# Altium PCB Evaluation Board.PcbDoc (part 14 of 22)
Units mm, origin at the board's own origin, x right, y up, seen from the top; angles counter-clockwise.
Board outline 200 x 200 mm, 4 copper layers (Top Layer, GND, Power, Bottom Layer), stack 1.56 mm thick; 639 components, 758 nets, 3043 pads, 1306 vias.
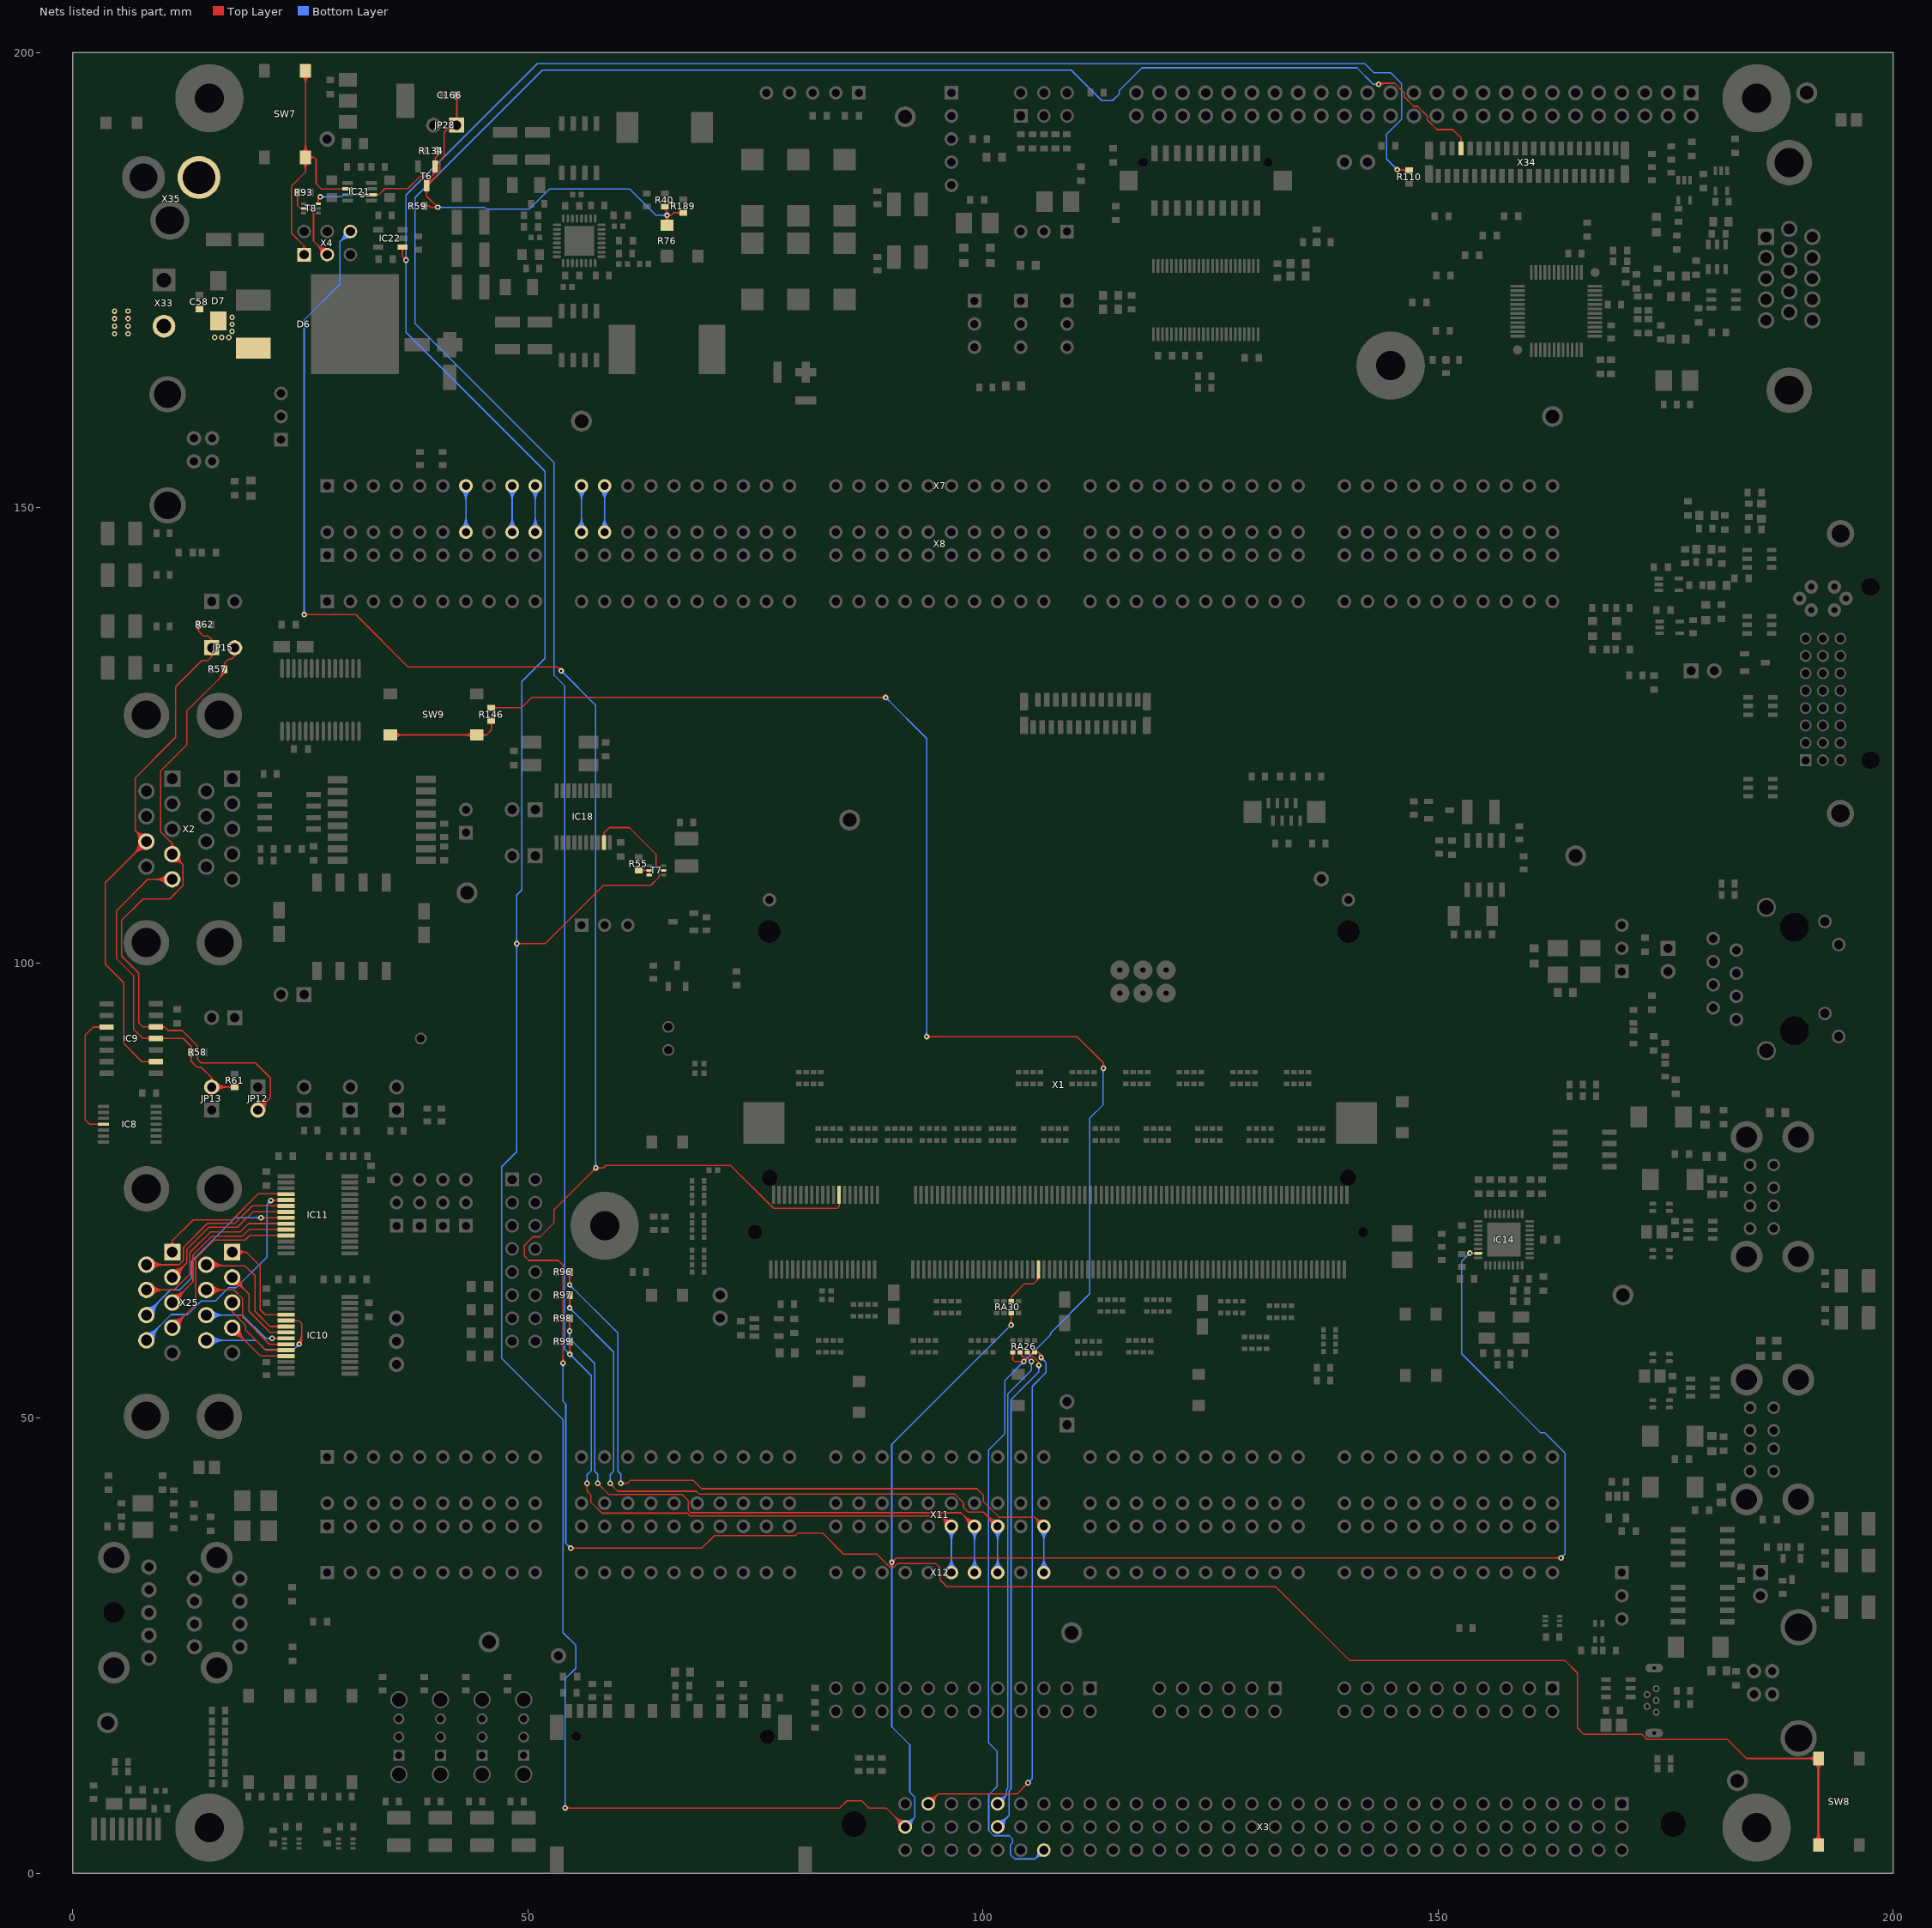
[diagram p16: the nets of this part, all layers, seen from the top]

## Via types
v1: diameter 0.6, hole 0.3, Top Layer to Bottom Layer, 1222 vias
v2: diameter 0.6, hole 0.3, Top Layer to Bottom Layer, tented both sides, 84 vias

## Nets (pads, with @x,y where several pads share a name; then routed paths per layer and width w, separated by ;. In a path a pad name is that pad's centre, name@x,y a point inside that pad or via, vN(x,y) a via of type N, cw(c..) or ccw(c..) an arc to the next point about the centre after c; other vN are vias at no path point) (continued)
NetX7_7: X7.7 X8.B7 | length 17
  Bottom Layer w0.15: X8.B7@42.703,147.797 ccw(c41.55,148.95) 43.18,148.95 ccw(c44.81,148.95) X8.B7@43.657,147.797 ; X7.7@42.703,151.923 cw(c41.55,150.77) 43.18,150.77 cw(c44.81,150.77) X7.7@43.657,151.923 ; X8.B7@42.809,147.691 ccw(c41.913,148.587) 43.18,148.587 ccw(c44.447,148.587) X8.B7@43.551,147.691 ; X7.7@42.809,152.029 cw(c41.913,151.133) 43.18,151.133 cw(c44.447,151.133) X7.7@43.551,152.029 ; X8.B7@42.915,147.585 ccw(c42.275,148.225) 43.18,148.225 ccw(c44.085,148.225) X8.B7@43.445,147.585 ; X7.7@42.915,152.135 cw(c42.275,151.495) 43.18,151.495 cw(c44.085,151.495) X7.7@43.445,152.135 ; X8.B7@43.18,147.32 X7.7@43.18,152.4
NetX7_9: X7.9 X8.B9 | length 17
  Bottom Layer w0.15: X8.B9@47.783,147.797 ccw(c46.63,148.95) 48.26,148.95 ccw(c49.89,148.95) X8.B9@48.737,147.797 ; X7.9@47.783,151.923 cw(c46.63,150.77) 48.26,150.77 cw(c49.89,150.77) X7.9@48.737,151.923 ; X8.B9@47.889,147.691 ccw(c46.993,148.587) 48.26,148.587 ccw(c49.527,148.587) X8.B9@48.631,147.691 ; X7.9@47.889,152.029 cw(c46.993,151.133) 48.26,151.133 cw(c49.527,151.133) X7.9@48.631,152.029 ; X8.B9@47.995,147.585 ccw(c47.355,148.225) 48.26,148.225 ccw(c49.165,148.225) X8.B9@48.525,147.585 ; X7.9@47.995,152.135 cw(c47.355,151.495) 48.26,151.495 cw(c49.165,151.495) X7.9@48.525,152.135 ; X8.B9@48.26,147.32 X7.9@48.26,152.4
NetX7_10: X7.10 X8.B10 | length 17
  Bottom Layer w0.15: X8.B10@50.323,147.797 ccw(c49.17,148.95) 50.8,148.95 ccw(c52.43,148.95) X8.B10@51.277,147.797 ; X7.10@50.323,151.923 cw(c49.17,150.77) 50.8,150.77 cw(c52.43,150.77) X7.10@51.277,151.923 ; X8.B10@50.429,147.691 ccw(c49.533,148.587) 50.8,148.587 ccw(c52.067,148.587) X8.B10@51.171,147.691 ; X7.10@50.429,152.029 cw(c49.533,151.133) 50.8,151.133 cw(c52.067,151.133) X7.10@51.171,152.029 ; X8.B10@50.535,147.585 ccw(c49.895,148.225) 50.8,148.225 ccw(c51.705,148.225) X8.B10@51.065,147.585 ; X7.10@50.535,152.135 cw(c49.895,151.495) 50.8,151.495 cw(c51.705,151.495) X7.10@51.065,152.135 ; X8.B10@50.8,147.32 X7.10@50.8,152.4
NetX7_11: X7.11 X8.B11 | length 17
  Bottom Layer w0.15: X8.B11@55.403,147.797 ccw(c54.25,148.95) 55.88,148.95 ccw(c57.51,148.95) X8.B11@56.357,147.797 ; X7.11@55.403,151.923 cw(c54.25,150.77) 55.88,150.77 cw(c57.51,150.77) X7.11@56.357,151.923 ; X8.B11@55.509,147.691 ccw(c54.613,148.587) 55.88,148.587 ccw(c57.147,148.587) X8.B11@56.251,147.691 ; X7.11@55.509,152.029 cw(c54.613,151.133) 55.88,151.133 cw(c57.147,151.133) X7.11@56.251,152.029 ; X8.B11@55.615,147.585 ccw(c54.975,148.225) 55.88,148.225 ccw(c56.785,148.225) X8.B11@56.145,147.585 ; X7.11@55.615,152.135 cw(c54.975,151.495) 55.88,151.495 cw(c56.785,151.495) X7.11@56.145,152.135 ; X8.B11@55.88,147.32 X7.11@55.88,152.4
NetX7_12: X7.12 X8.B12 | length 17
  Bottom Layer w0.15: X8.B12@57.943,147.797 ccw(c56.79,148.95) 58.42,148.95 ccw(c60.05,148.95) X8.B12@58.897,147.797 ; X7.12@57.943,151.923 cw(c56.79,150.77) 58.42,150.77 cw(c60.05,150.77) X7.12@58.897,151.923 ; X8.B12@58.049,147.691 ccw(c57.153,148.587) 58.42,148.587 ccw(c59.687,148.587) X8.B12@58.791,147.691 ; X7.12@58.049,152.029 cw(c57.153,151.133) 58.42,151.133 cw(c59.687,151.133) X7.12@58.791,152.029 ; X8.B12@58.155,147.585 ccw(c57.515,148.225) 58.42,148.225 ccw(c59.325,148.225) X8.B12@58.685,147.585 ; X7.12@58.155,152.135 cw(c57.515,151.495) 58.42,151.495 cw(c59.325,151.495) X7.12@58.685,152.135 ; X8.B12@58.42,147.32 X7.12@58.42,152.4
OE#: R146.2 RA26.8 X3.C26 | length 218
  Top Layer w0.15: R146.2@45.974,128.03 49.29,128.03 50.41,129.15 v1(89.3,129.15) ; R146.2@46.251,127.853 cw(c46.678,127.426) 46.678,128.03 cw(c46.678,128.633) R146.2@46.251,128.207 ; v1@89.141,128.991 ccw(c88.757,128.607) 88.757,129.15 ccw(c88.757,129.693) v1@89.141,129.309 ; v1(93.8,91.9) 110.328,91.9 113.225,89.003 v1(113.225,88.425) ; v1@93.959,91.741 cw(c94.343,91.357) 94.343,91.9 cw(c94.343,92.443) v1@93.959,92.059 ; RA26.8@103.14,57.098 cw(c102.842,56.799) 103.264,56.799 cw(c103.686,56.799) RA26.8@103.388,57.098 ; RA26.8@103.264,57.222 103.264,56.411 103.45,56.225 104.475,56.225 104.48,56.22 v1(104.48,56.203) ; v1@113.066,88.584 ccw(c112.682,88.968) 113.225,88.968 ccw(c113.768,88.968) v1@113.384,88.584
  Bottom Layer w0.15: v1@89.3,128.925 cw(c89.3,128.382) 89.684,128.766 cw(c90.068,129.15) v1@89.525,129.15 ; v1(89.3,129.15) 93.8,124.65 v1(93.8,91.9) ; v1@93.641,92.059 ccw(c93.257,92.443) 93.8,92.443 ccw(c94.343,92.443) v1@93.959,92.059 ; 104.067,55.807 cw(c104.48,55.393) v1@104.48,55.978 ; 104.108,55.848 ccw(c103.753,56.203) v1@104.255,56.203 ; v1@104.48,56.428 ccw(c104.48,56.971) 104.864,56.587 ccw(c105.248,56.203) v1@104.705,56.203 ; X3.C26@106.01,2.456 cw(c104.948,2.322) 105.705,1.565 ; X3.C26@106.159,2.474 cw(c105.333,2.371) 105.922,1.782 cw(c106.511,1.193) X3.C26@106.614,2.019 ; X3.C26@106.308,2.493 cw(c105.718,2.419) 106.138,1.998 cw(c106.559,1.578) X3.C26@106.633,2.168 ; X3.C26@106.596,1.87 ccw(c106.462,0.808) 105.705,1.565 ; X3.C26@106.68,2.54 105.705,1.565 ; v1@113.066,88.266 cw(c112.742,87.942) 113.2,87.942 ; 113.2,87.821 cw(c113.829,87.821) v1@113.384,88.266 ; v1(113.225,88.425) 113.2,88.4 113.2,84.425 111.725,82.95 111.725,63.65 107.427,59.352 107.427,59.15 v1(104.48,56.203) 104.463,56.203 102.384,54.124 102.384,48.259 100.609,46.484 100.609,14.326 101.549,13.386 101.549,9.519 100.625,8.595 100.625,4.676 101.196,4.105 102.888,4.105 103.222,3.771 103.222,3.336 103.005,3.118 103.005,2.037 103.477,1.565 105.705,1.565
PWE#: RA26.5 X3.A31 | length 70.2
  Top Layer w0.15: X3.A31@93.98,7.62 95.047,8.687 ; X3.A31@94.001,7.994 ccw(c94.043,8.742) 94.573,8.213 ccw(c95.102,7.683) X3.A31@94.354,7.641 ; X3.A31@94.009,8.144 ccw(c94.068,9.191) 94.81,8.45 ccw(c95.551,7.708) X3.A31@94.504,7.649 ; X3.A31@94.018,8.294 ccw(c94.093,9.64) 95.047,8.687 ; X3.A31@94.654,7.658 cw(c96,7.733) 95.047,8.687 ; v2@104.71,9.921 cw(c104.167,9.921) 104.551,9.537 cw(c104.935,9.153) v2@104.935,9.696 ; v2(104.935,9.921) 103.701,8.687 95.047,8.687 ; RA26.5@105.664,57.222 106.103,57.222 ; RA26.5@105.845,57.105 cw(c106.103,56.876) 106.103,57.222 ; RA26.5@105.845,57.338 ccw(c106.103,57.567) 106.103,57.222 ; v1@106.175,56.754 ccw(c105.821,56.939) 106.103,57.222 ; 106.248,57.077 cw(c106.011,56.84) v1@106.308,56.685 ; v1(106.375,56.65) 106.375,56.95 106.103,57.222
  Bottom Layer w0.15: v2(104.935,9.921) 105.405,10.391 105.405,53.487 106.9,54.982 106.9,56.125 v1(106.375,56.65) ; v2@104.935,10.146 ccw(c104.935,10.689) 105.319,10.305 ccw(c105.703,9.921) v2@105.16,9.921 ; v1@106.375,56.425 cw(c106.375,55.882) 106.759,56.266 cw(c107.143,56.65) v1@106.6,56.65
PWM_A: R99.1 X11.A26 X12.26 X34.6 | length 353.7
  Top Layer w0.15: R99.1@54.396,58.143 cw(c53.941,57.688) 54.585,57.688 ; v1@54.426,57.157 ccw(c54.041,57.541) 54.585,57.541 ccw(c55.128,57.541) v1@54.744,57.157 ; R99.1@54.573,58.42 54.585,58.408 v1(54.585,56.998) ; 54.585,57.744 cw(c55.149,57.744) R99.1@54.75,58.143 ; v1@56.331,42.665 cw(c55.946,42.281) 56.49,42.281 cw(c57.033,42.281) v1@56.649,42.665 ; v1(56.49,42.824) 56.49,41.986 56.896,41.58 56.896,40.785 58.133,39.548 67.503,39.548 67.803,39.248 95.372,39.248 ; X11.A26@95.845,38.102 ccw(c94.231,38.106) 95.372,39.248 ; X11.A26@95.995,38.101 ccw(c94.74,38.105) 95.627,38.993 ccw(c96.515,39.88) X11.A26@96.519,38.625 ; X11.A26@96.145,38.101 ccw(c95.248,38.104) 95.882,38.738 ccw(c96.516,39.372) X11.A26@96.519,38.475 ; X11.A26@96.518,38.775 cw(c96.514,40.389) 95.372,39.248 ; X11.A26@96.52,38.1 95.372,39.248 ; v2(143.459,196.52) 143.569,196.63 145.215,196.63 146.27,195.575 146.27,195.145 147.325,194.09 147.755,194.09 148.81,193.035 148.81,192.605 149.874,191.541 151.604,191.541 152.516,190.63 X34.6@152.516,189.471 ; v2@143.512,196.467 cw(c143.906,196.073) 143.906,196.63 ; v2@143.618,196.361 cw(c144.268,195.711) 144.268,196.63 ; X34.6@152.357,190.069 ccw(c151.973,190.453) 152.516,190.453 ccw(c153.059,190.453) X34.6@152.675,190.069
  Bottom Layer w0.15: v1@54.36,56.998 ccw(c53.816,56.998) 54.2,57.382 ccw(c54.585,57.766) v1@54.585,57.223 ; v1@54.585,56.773 cw(c54.585,56.168) 55.012,56.596 ; v1(54.585,56.998) 54.048,57.534 54.048,130.424 52.875,131.597 52.875,154.95 37.575,170.25 37.575,184.075 51.575,198.075 109.7,198.075 113.05,194.725 114.225,194.725 114.96,195.46 114.96,195.822 117.464,198.325 141.056,198.325 142.861,196.52 v2(143.459,196.52) ; v1@54.597,57.01 56.947,54.661 56.947,44.221 56.49,43.764 v1(56.49,42.824) ; v1@54.81,56.998 ccw(c55.291,56.998) 54.951,56.657 ; v1@56.331,42.983 ccw(c55.946,43.368) 56.49,43.368 ccw(c57.033,43.368) v1@56.649,42.983 ; X12.26@96.043,33.497 ccw(c94.89,34.65) 96.52,34.65 ccw(c98.15,34.65) X12.26@96.997,33.497 ; X11.A26@96.043,37.623 cw(c94.89,36.47) 96.52,36.47 cw(c98.15,36.47) X11.A26@96.997,37.623 ; X12.26@96.149,33.391 ccw(c95.253,34.287) 96.52,34.287 ccw(c97.787,34.287) X12.26@96.891,33.391 ; X11.A26@96.149,37.729 cw(c95.253,36.833) 96.52,36.833 cw(c97.787,36.833) X11.A26@96.891,37.729 ; X12.26@96.255,33.285 ccw(c95.615,33.925) 96.52,33.925 ccw(c97.425,33.925) X12.26@96.785,33.285 ; X11.A26@96.255,37.835 cw(c95.615,37.195) 96.52,37.195 cw(c97.425,37.195) X11.A26@96.785,37.835 ; X12.26@96.52,33.02 X11.A26@96.52,38.1 ; v2@143.3,196.361 ccw(c142.916,195.977) 142.916,196.52 ccw(c142.916,197.063) v2@143.3,196.679
PWM_B: R98.1 X11.A27 X12.27 | length 90.7
  Top Layer w0.15: R98.1@54.396,60.683 cw(c53.969,60.256) 54.573,60.256 cw(c55.177,60.256) R98.1@54.75,60.683 ; v1@54.414,59.708 ccw(c54.03,60.092) 54.573,60.092 ccw(c55.116,60.092) v1@54.732,59.708 ; v1(54.573,59.549) R98.1@54.573,60.96 ; v1@57.658,42.599 cw(c57.658,42.056) 58.042,42.44 cw(c58.426,42.824) v1@57.883,42.824 ; v1(57.658,42.824) 58.867,41.615 66.91,41.615 67.605,40.92 67.605,39.87 67.876,39.599 97.561,39.599 X11.A27@99.06,38.1 ; X11.A27@98.385,38.1 ccw(c96.755,38.1) 97.908,39.252 ccw(c99.06,40.405) X11.A27@99.06,38.775 ; X11.A27@98.535,38.1 ccw(c97.268,38.1) 98.164,38.996 ccw(c99.06,39.892) X11.A27@99.06,38.625 ; X11.A27@98.685,38.1 ccw(c97.78,38.1) 98.42,38.74 ccw(c99.06,39.38) X11.A27@99.06,38.475
  Bottom Layer w0.15: v1@54.414,59.39 cw(c54.03,59.006) 54.573,59.006 cw(c55.116,59.006) v1@54.732,59.39 ; v1(54.573,59.549) 54.573,58.736 57.328,55.982 57.328,44.145 57.658,43.815 v1(57.658,42.824) ; v1@57.499,42.983 ccw(c57.115,43.368) 57.658,43.368 ccw(c58.201,43.368) v1@57.817,42.983 ; X12.27@98.583,33.497 ccw(c97.43,34.65) 99.06,34.65 ccw(c100.69,34.65) X12.27@99.537,33.497 ; X11.A27@98.583,37.623 cw(c97.43,36.47) 99.06,36.47 cw(c100.69,36.47) X11.A27@99.537,37.623 ; X12.27@98.689,33.391 ccw(c97.793,34.287) 99.06,34.287 ccw(c100.327,34.287) X12.27@99.431,33.391 ; X11.A27@98.689,37.729 cw(c97.793,36.833) 99.06,36.833 cw(c100.327,36.833) X11.A27@99.431,37.729 ; X12.27@98.795,33.285 ccw(c98.155,33.925) 99.06,33.925 ccw(c99.965,33.925) X12.27@99.325,33.285 ; X11.A27@98.795,37.835 cw(c98.155,37.195) 99.06,37.195 cw(c99.965,37.195) X11.A27@99.325,37.835 ; X12.27@99.06,33.02 X11.A27@99.06,38.1
PWM_C: R97.1 X11.A28 X12.28 | length 95.1
  Top Layer w0.15: R97.1@54.396,63.223 cw(c53.969,62.796) 54.573,62.796 cw(c55.177,62.796) R97.1@54.75,63.223 ; v1@54.414,62.248 ccw(c54.03,62.632) 54.573,62.632 ccw(c55.116,62.632) v1@54.732,62.248 ; v1(54.573,62.089) R97.1@54.573,63.5 ; v1@59.03,42.599 cw(c59.03,42.187) 59.322,42.478 ; v1(59.03,42.824) 59.03,42.77 59.85,41.95 68.5,41.95 68.817,41.633 96.906,41.633 97.841,40.698 97.841,40.183 98.359,39.665 100.035,39.665 X11.A28@101.6,38.1 ; v1@59.255,42.824 ccw(c59.928,42.824) 59.452,42.348 ; X11.A28@100.925,38.1 ccw(c99.295,38.1) 100.448,39.252 ccw(c101.6,40.405) X11.A28@101.6,38.775 ; X11.A28@101.075,38.1 ccw(c99.808,38.1) 100.704,38.996 ccw(c101.6,39.892) X11.A28@101.6,38.625 ; X11.A28@101.225,38.1 ccw(c100.32,38.1) 100.96,38.74 ccw(c101.6,39.38) X11.A28@101.6,38.475
  Bottom Layer w0.15: v1@54.573,61.864 cw(c54.573,61.321) 54.957,61.705 cw(c55.341,62.089) v1@54.798,62.089 ; v1(54.573,62.089) 59.411,57.252 59.411,44.16 59.03,43.779 v1(59.03,42.824) ; v1@58.871,42.983 ccw(c58.486,43.368) 59.03,43.368 ccw(c59.573,43.368) v1@59.189,42.983 ; X12.28@101.123,33.497 ccw(c99.97,34.65) 101.6,34.65 ccw(c103.23,34.65) X12.28@102.077,33.497 ; X11.A28@101.123,37.623 cw(c99.97,36.47) 101.6,36.47 cw(c103.23,36.47) X11.A28@102.077,37.623 ; X12.28@101.229,33.391 ccw(c100.333,34.287) 101.6,34.287 ccw(c102.867,34.287) X12.28@101.971,33.391 ; X11.A28@101.229,37.729 cw(c100.333,36.833) 101.6,36.833 cw(c102.867,36.833) X11.A28@101.971,37.729 ; X12.28@101.335,33.285 ccw(c100.695,33.925) 101.6,33.925 ccw(c102.505,33.925) X12.28@101.865,33.285 ; X11.A28@101.335,37.835 cw(c100.695,37.195) 101.6,37.195 cw(c102.505,37.195) X11.A28@101.865,37.835 ; X12.28@101.6,33.02 X11.A28@101.6,38.1
PWM_D: R96.1 X11.A30 X12.30 | length 101
  Top Layer w0.15: R96.1@54.396,65.763 cw(c53.969,65.336) 54.573,65.336 cw(c55.177,65.336) R96.1@54.75,65.763 ; v1@54.414,64.788 ccw(c54.03,65.172) 54.573,65.172 ccw(c55.116,65.172) v1@54.732,64.788 ; v1(54.573,64.629) R96.1@54.573,66.04 ; v1(60.198,42.824) 60.924,42.824 61.275,43.175 68.124,43.175 69.066,42.233 99.321,42.233 100.035,41.519 100.035,40.826 101.745,39.116 105.664,39.116 ; v1@60.357,42.665 cw(c60.741,42.281) 60.741,42.824 cw(c60.741,43.368) v1@60.357,42.983 ; X11.A30@106.008,38.163 ccw(c104.821,38.273) 105.664,39.116 ; X11.A30@106.157,38.149 ccw(c105.234,38.235) 105.89,38.89 ccw(c106.545,39.546) X11.A30@106.631,38.623 ; X11.A30@106.307,38.135 ccw(c105.647,38.196) 106.116,38.664 ccw(c106.584,39.133) X11.A30@106.645,38.473 ; X11.A30@106.617,38.772 cw(c106.507,39.959) 105.664,39.116 ; X11.A30@106.68,38.1 105.664,39.116
  Bottom Layer w0.15: v1@54.573,64.404 cw(c54.573,63.861) 54.957,64.245 cw(c55.341,64.629) v1@54.798,64.629 ; v1(54.573,64.629) 59.868,59.334 59.868,44.145 60.198,43.815 v1(60.198,42.824) ; v1@60.039,42.983 ccw(c59.655,43.368) 60.198,43.368 ccw(c60.741,43.368) v1@60.357,42.983 ; X12.30@106.203,33.497 ccw(c105.05,34.65) 106.68,34.65 ccw(c108.31,34.65) X12.30@107.157,33.497 ; X11.A30@106.203,37.623 cw(c105.05,36.47) 106.68,36.47 cw(c108.31,36.47) X11.A30@107.157,37.623 ; X12.30@106.309,33.391 ccw(c105.413,34.287) 106.68,34.287 ccw(c107.947,34.287) X12.30@107.051,33.391 ; X11.A30@106.309,37.729 cw(c105.413,36.833) 106.68,36.833 cw(c107.947,36.833) X11.A30@107.051,37.729 ; X12.30@106.415,33.285 ccw(c105.775,33.925) 106.68,33.925 ccw(c107.585,33.925) X12.30@106.945,33.285 ; X11.A30@106.415,37.835 cw(c105.775,37.195) 106.68,37.195 cw(c107.585,37.195) X11.A30@106.945,37.835 ; X12.30@106.68,33.02 X11.A30@106.68,38.1
PWR_BTN#: IC21.2 SW7.3 SW7.4 X4.1 | length 43.3
  Top Layer w0.15: X4.1@25.168,178.434 ccw(c25.047,178.765) 25.4,178.765 ; SW7.4@25.178,187.975 cw(c24.281,187.079) 25.549,187.079 cw(c26.816,187.079) SW7.4@25.92,187.975 ; SW7.4@25.178,189.017 ccw(c24.281,189.913) 25.549,189.913 ccw(c26.816,189.913) SW7.4@25.92,189.017 ; SW7.3@25.178,197.475 cw(c24.281,196.579) 25.549,196.579 cw(c26.816,196.579) SW7.3@25.92,197.475 ; X4.1@25.22,178.293 ccw(c25.126,178.551) 25.4,178.551 ccw(c25.674,178.551) X4.1@25.58,178.293 ; SW7.4@25.284,188.081 cw(c24.644,187.441) 25.549,187.441 cw(c26.454,187.441) SW7.4@25.814,188.081 ; SW7.4@25.284,188.911 ccw(c24.644,189.551) 25.549,189.551 ccw(c26.454,189.551) SW7.4@25.814,188.911 ; SW7.3@25.284,197.581 cw(c24.644,196.941) 25.549,196.941 cw(c26.454,196.941) SW7.3@25.814,197.581 ; X4.1@25.4,177.8 25.4,178.765 ; SW7.3@25.549,197.996 SW7.4@25.549,188.496 ; X4.1@25.632,178.434 cw(c25.753,178.765) 25.4,178.765 ; SW7.4@25.87,188.302 cw(c26.213,188.095) 26.213,188.496 cw(c26.213,188.897) SW7.4@25.87,188.69 ; SW7.4@25.998,188.225 cw(c26.479,187.935) 26.479,188.496 ; SW7.4@25.998,188.767 ccw(c26.479,189.057) 26.479,188.496 ; IC21.2@29.688,184.945 ccw(c29.474,184.732) 29.474,185.034 ccw(c29.474,185.336) IC21.2@29.688,185.122 ; IC21.2@30.186,185.034 27.274,185.034 26.725,185.583 26.725,188.25 26.479,188.496 ; 25.4,178.765 24,180.165 24,185.325 25.549,186.874 SW7.4@25.549,188.496 ; SW7.4@25.549,188.496 26.479,188.496
PWR_CTRL: R93.2 T8.2 X4.3 | length 16.1
  Top Layer w0.15: R93.2@24.498,184.381 cw(c24.071,183.954) 24.675,183.954 cw(c25.279,183.954) R93.2@24.852,184.381 ; R93.2@24.675,184.658 24.675,183.2 24.975,182.9 25.352,182.9 T8.2@25.372,182.88 25.87,182.88 26.442,182.308 26.442,179.298 X4.3@27.94,177.8 ; 25.008,182.9 cw(c25.008,182.651) T8.2@25.184,182.827 ; T8.2@25.56,182.827 cw(c25.688,182.699) 25.688,182.88 cw(c25.688,183.061) T8.2@25.56,182.933 ; X4.3@27.265,177.8 ccw(c25.635,177.8) 26.788,178.952 ccw(c27.94,180.105) X4.3@27.94,178.475 ; X4.3@27.415,177.8 ccw(c26.148,177.8) 27.044,178.696 ccw(c27.94,179.592) X4.3@27.94,178.325 ; X4.3@27.565,177.8 ccw(c26.66,177.8) 27.3,178.44 ccw(c27.94,179.08) X4.3@27.94,178.175
PWR_EN: C166.2 JP28.1 R40.1 R59.2 R76.1 R189.1 T6.3 | length 60
  Top Layer w0.15: R59.2@38.571,183.134 38.612,183.175 39.125,183.175 ; T6.3@38.703,184.877 cw(c38.319,184.493) 38.862,184.493 cw(c39.405,184.493) T6.3@39.021,184.877 ; R59.2@38.748,183.311 ccw(c39.076,183.639) 39.076,183.175 ; R59.2@38.777,182.992 cw(c39.125,182.752) 39.125,183.175 ; T6.3@38.862,185.361 ccw(c38.862,185.586) T6.3@39.021,185.427 ; T6.3@38.862,185.511 ccw(c38.862,186.098) 39.277,185.683 ; T6.3@38.862,185.661 ccw(c38.862,186.61) 39.533,185.939 ; T6.3@38.862,185.811 ccw(c38.862,187.122) 39.789,186.195 ; T6.3@38.862,185.961 ccw(c38.862,187.635) 40.045,186.451 ; v1@39.922,182.848 ccw(c39.538,182.464) 39.538,183.007 ccw(c39.538,183.55) v1@39.922,183.166 ; C166.2@42.177,195.326 42.177,192.037 JP28.1@42.164,192.024 41.58,192.024 40.792,191.237 40.792,188.646 40.337,188.19 40.337,186.743 38.98,185.386 T6.3@38.862,185.386 38.862,184.226 v1(40.081,183.007) 39.293,183.007 39.125,183.175 ; R76.1@64.948,181.432 ccw(c64.386,182.125) v1(65.278,182.125) ccw(c66.17,182.125) R76.1@65.608,181.432 ; R76.1@65.042,181.315 ccw(c64.641,181.81) 65.278,181.81 ccw(c65.915,181.81) R76.1@65.514,181.315 ; 65.05,182.75 65.278,182.522 ; v1@65.162,182.318 ccw(c65.04,182.522) 65.278,182.522 ; R76.1@65.278,181.024 v1(65.278,182.125) ; v1@65.394,182.318 cw(c65.516,182.522) 65.278,182.522 ; v1@65.459,181.991 cw(c65.725,181.794) 65.725,182.125 ; v1@65.459,182.259 ccw(c65.725,182.456) 65.725,182.125 ; R189.1@66.779,182.232 ccw(c66.352,181.805) 66.352,182.409 ccw(c66.352,183.013) R189.1@66.779,182.586 ; R189.1@67.056,182.409 66.009,182.409 65.725,182.125 ; v1(65.278,182.125) 65.725,182.125 ; v1(65.278,182.125) 65.278,182.522
  Bottom Layer w0.15: v1(40.081,183.007) 45.212,183.007 45.432,182.787 50.123,182.787 52.336,185 61.2,185 64.075,182.125 v1(65.278,182.125) ; v1@40.24,182.848 cw(c40.624,182.464) 40.624,183.007 cw(c40.624,183.55) v1@40.24,183.166 ; v1@65.119,181.966 ccw(c64.735,181.582) 64.735,182.125 ccw(c64.735,182.668) v1@65.119,182.284
PWR_EN#: IC21.6 R134.1 T6.1 T8.6 | length 24.9
  Top Layer w0.15: T8.6@26.899,183.433 ccw(c26.771,183.561) 26.952,183.561 ccw(c27.133,183.561) T8.6@27.005,183.433 ; T8.6@26.952,183.38 26.952,183.927 ; 26.952,183.617 cw(c27.503,183.617) v1@27.214,184.086 ; 26.952,183.885 cw(c27.338,183.885) v1@27.136,184.214 ; v1@26.973,184.051 cw(c26.875,184.004) 26.952,183.927 ; v1@27.076,183.948 ccw(c27.029,183.85) 26.952,183.927 ; v1(27.175,184.15) 26.952,183.927 ; v1(31.775,184.4) 31.791,184.384 IC21.6@32.806,184.384 33.609,184.384 34.275,185.05 36.784,185.05 38.145,186.411 39.446,186.411 ; IC21.6@32.308,184.295 ccw(c32.094,184.082) 32.094,184.384 ccw(c32.094,184.686) IC21.6@32.308,184.472 ; IC21.6@33.304,184.295 cw(c33.518,184.082) 33.518,184.384 cw(c33.518,184.686) IC21.6@33.304,184.472 ; T6.1@39.599,187.064 cw(c38.997,186.86) 39.446,186.411 ; 39.617,186.581 ccw(c39.252,186.946) T6.1@39.741,187.112 ; T6.1@39.653,187.995 ccw(c39.269,188.379) 39.812,188.379 ccw(c40.355,188.379) T6.1@39.971,187.995 ; T6.1@39.714,186.934 cw(c39.637,186.776) 39.812,186.776 ; 39.788,186.752 ccw(c39.507,187.033) T6.1@39.883,187.16 ; T6.1@39.91,186.934 ccw(c39.987,186.776) 39.812,186.776 ; R134.1@39.965,188.916 cw(c39.824,188.685) 40.095,188.685 ; R134.1@40.095,189.23 40.095,188.685 ; R134.1@40.225,188.916 ccw(c40.366,188.685) 40.095,188.685 ; 39.446,186.411 39.812,186.776 ; 39.812,186.776 39.812,188.402 40.095,188.685